# Altium PCB TMS320F28379D_Interfaz_.PcbDoc (part 1 of 5)
Units mil, origin at the board's own origin, x right, y up, seen from the top; angles counter-clockwise.
Board outline 7050 x 6150 mil, 4 copper layers (Top Layer, GND plane, Power supply plane, Bottom Layer), stack 30.634 mil thick; 614 components, 361 nets, 2002 pads, 627 vias.
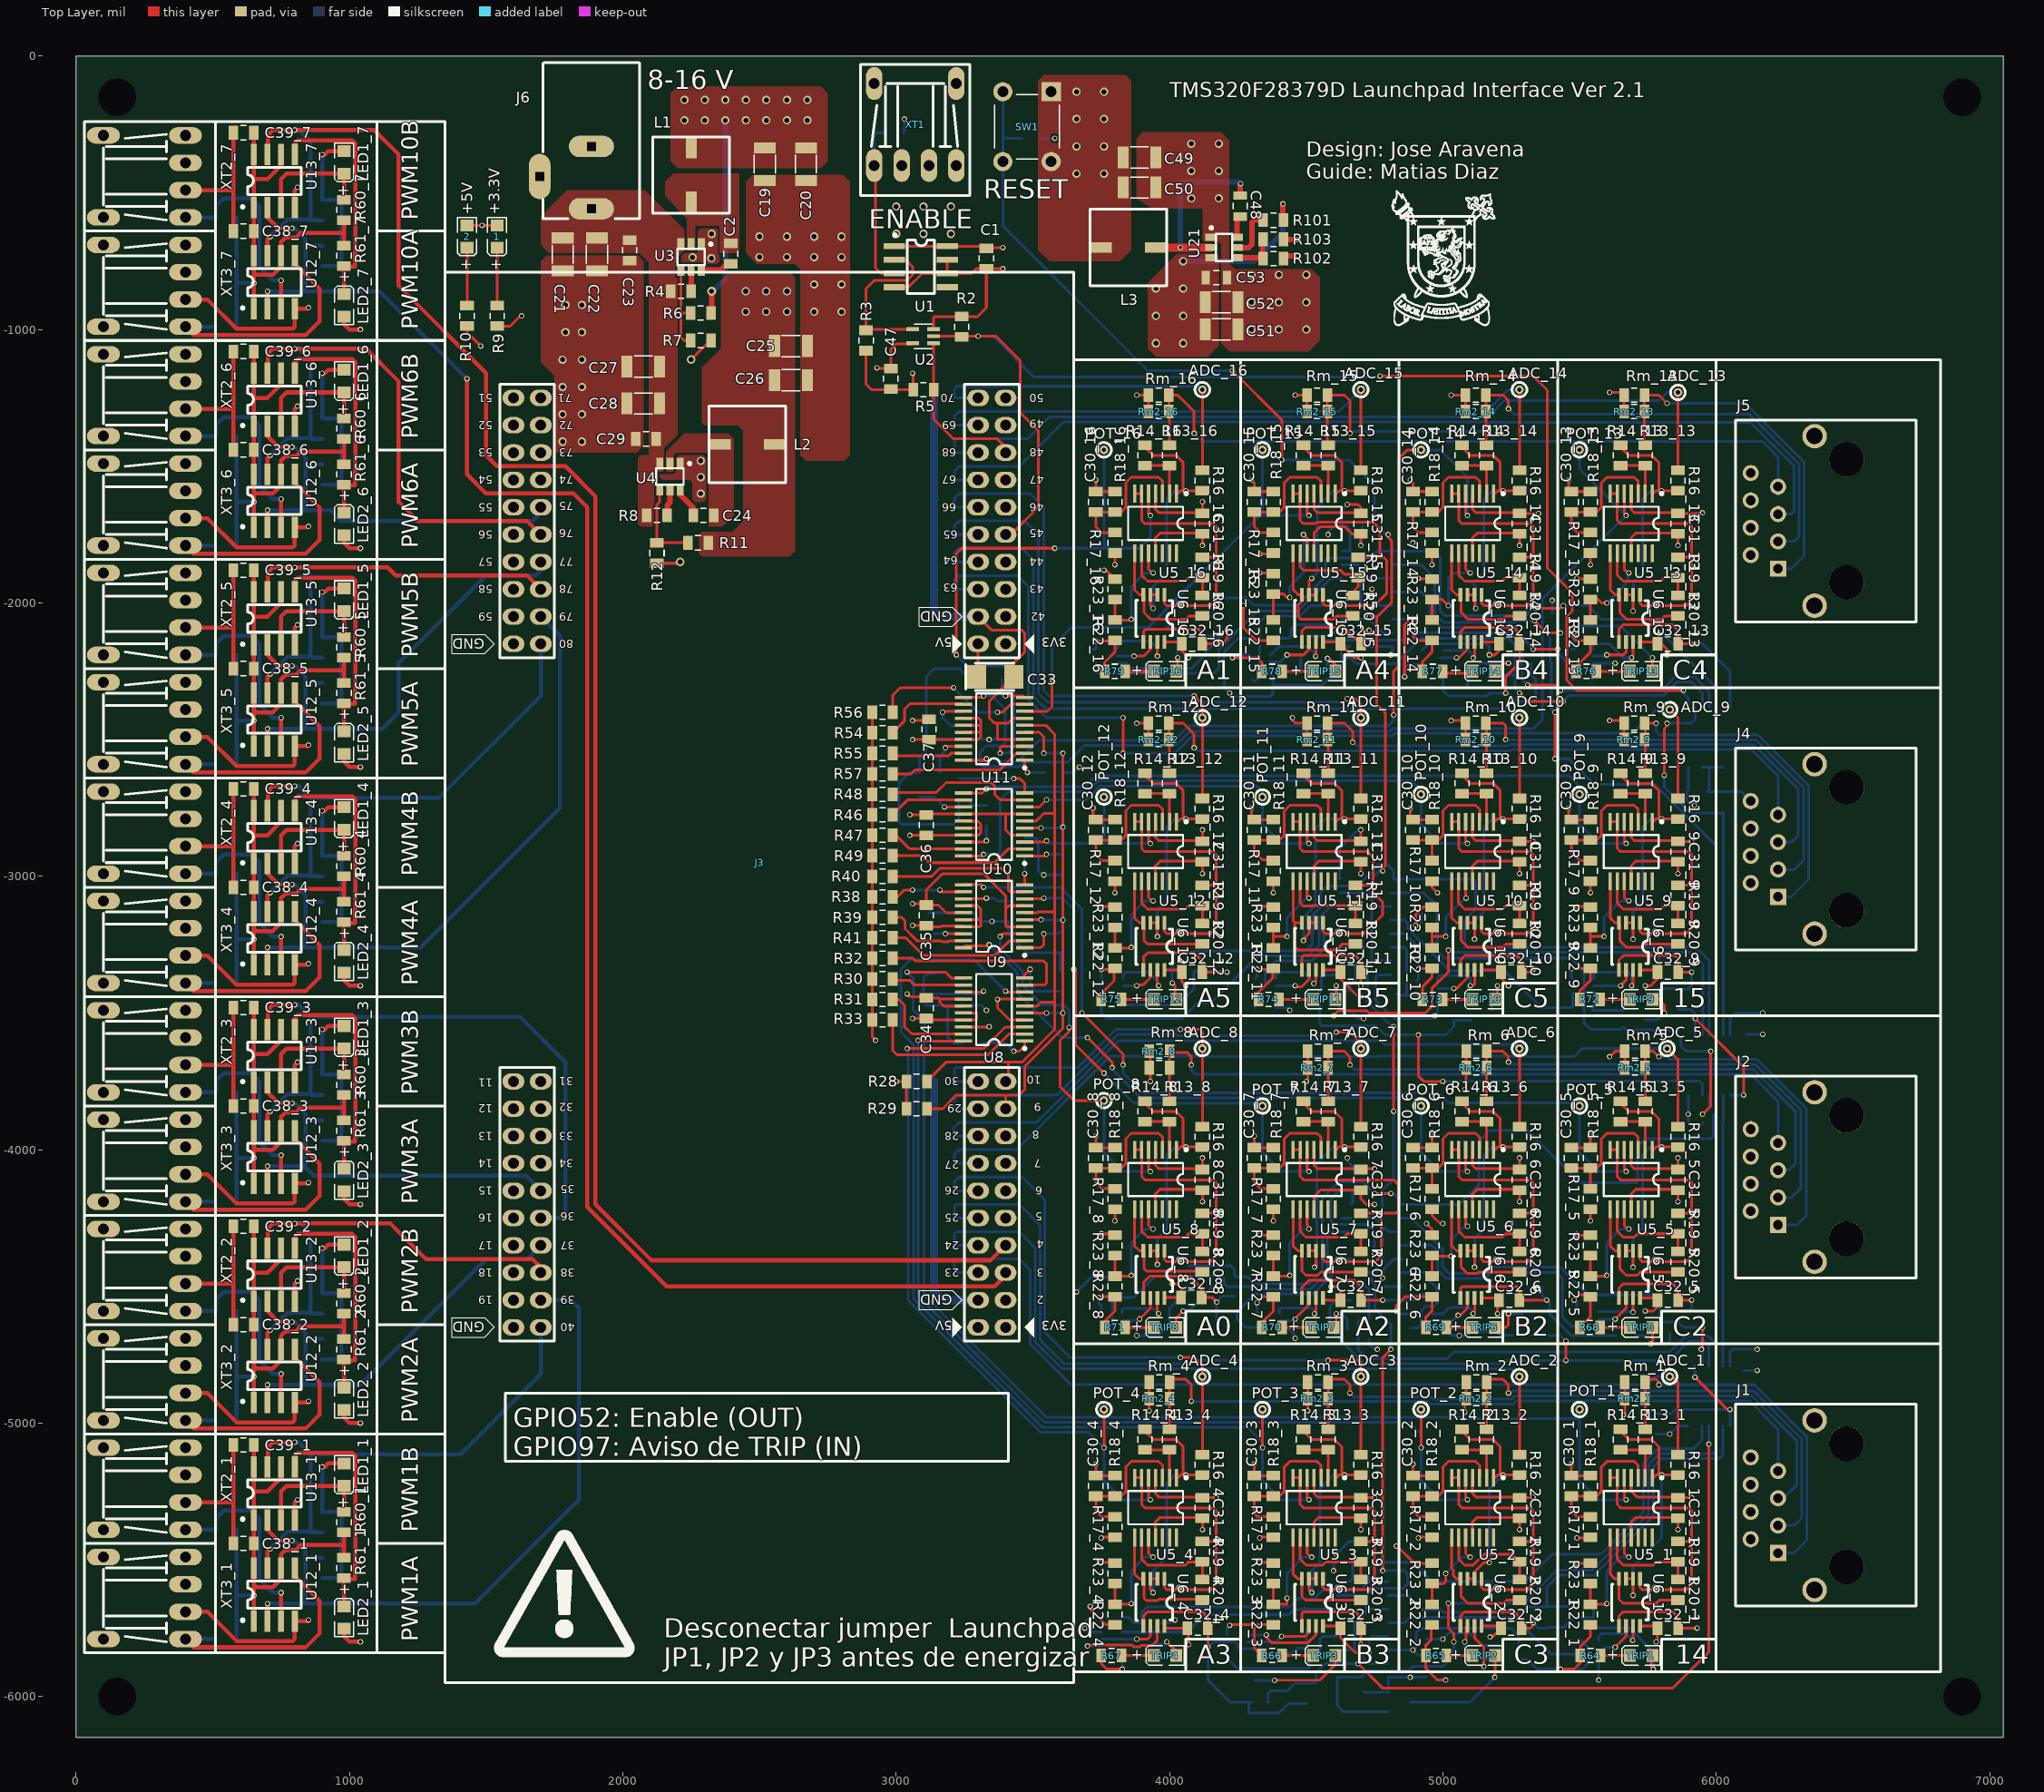
[diagram p0: Top Layer view]
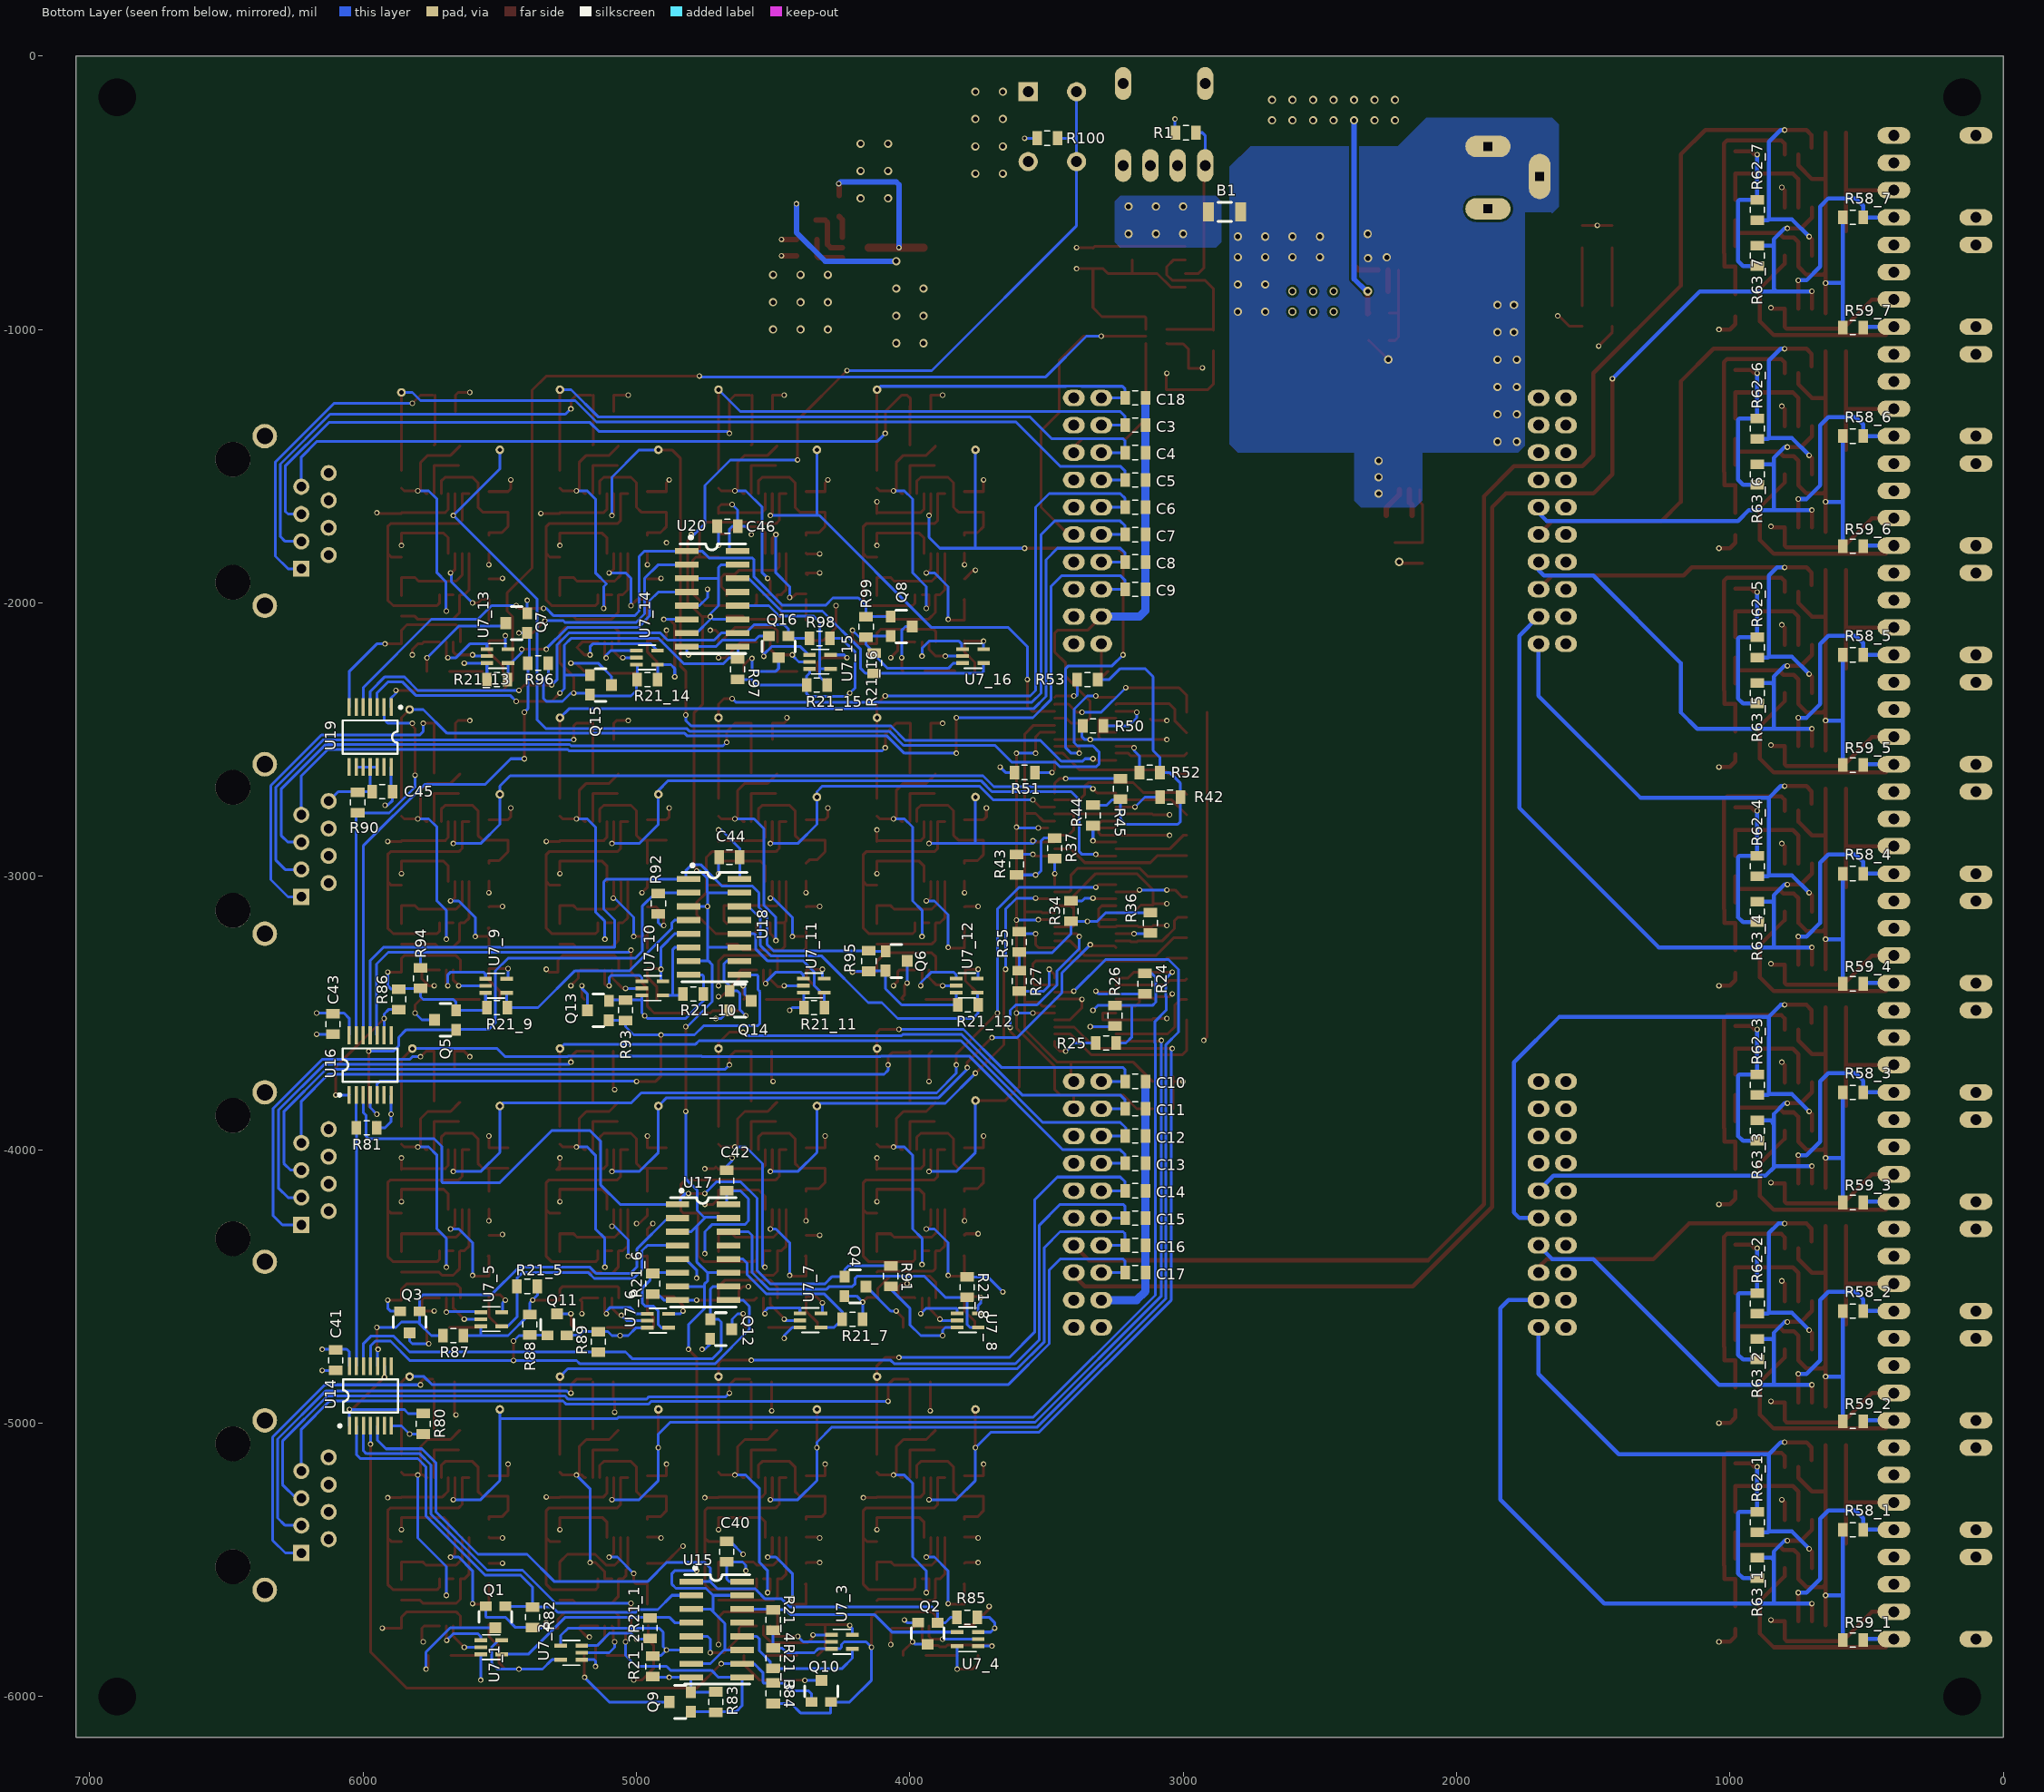
[diagram p1: Bottom Layer view, seen from below]
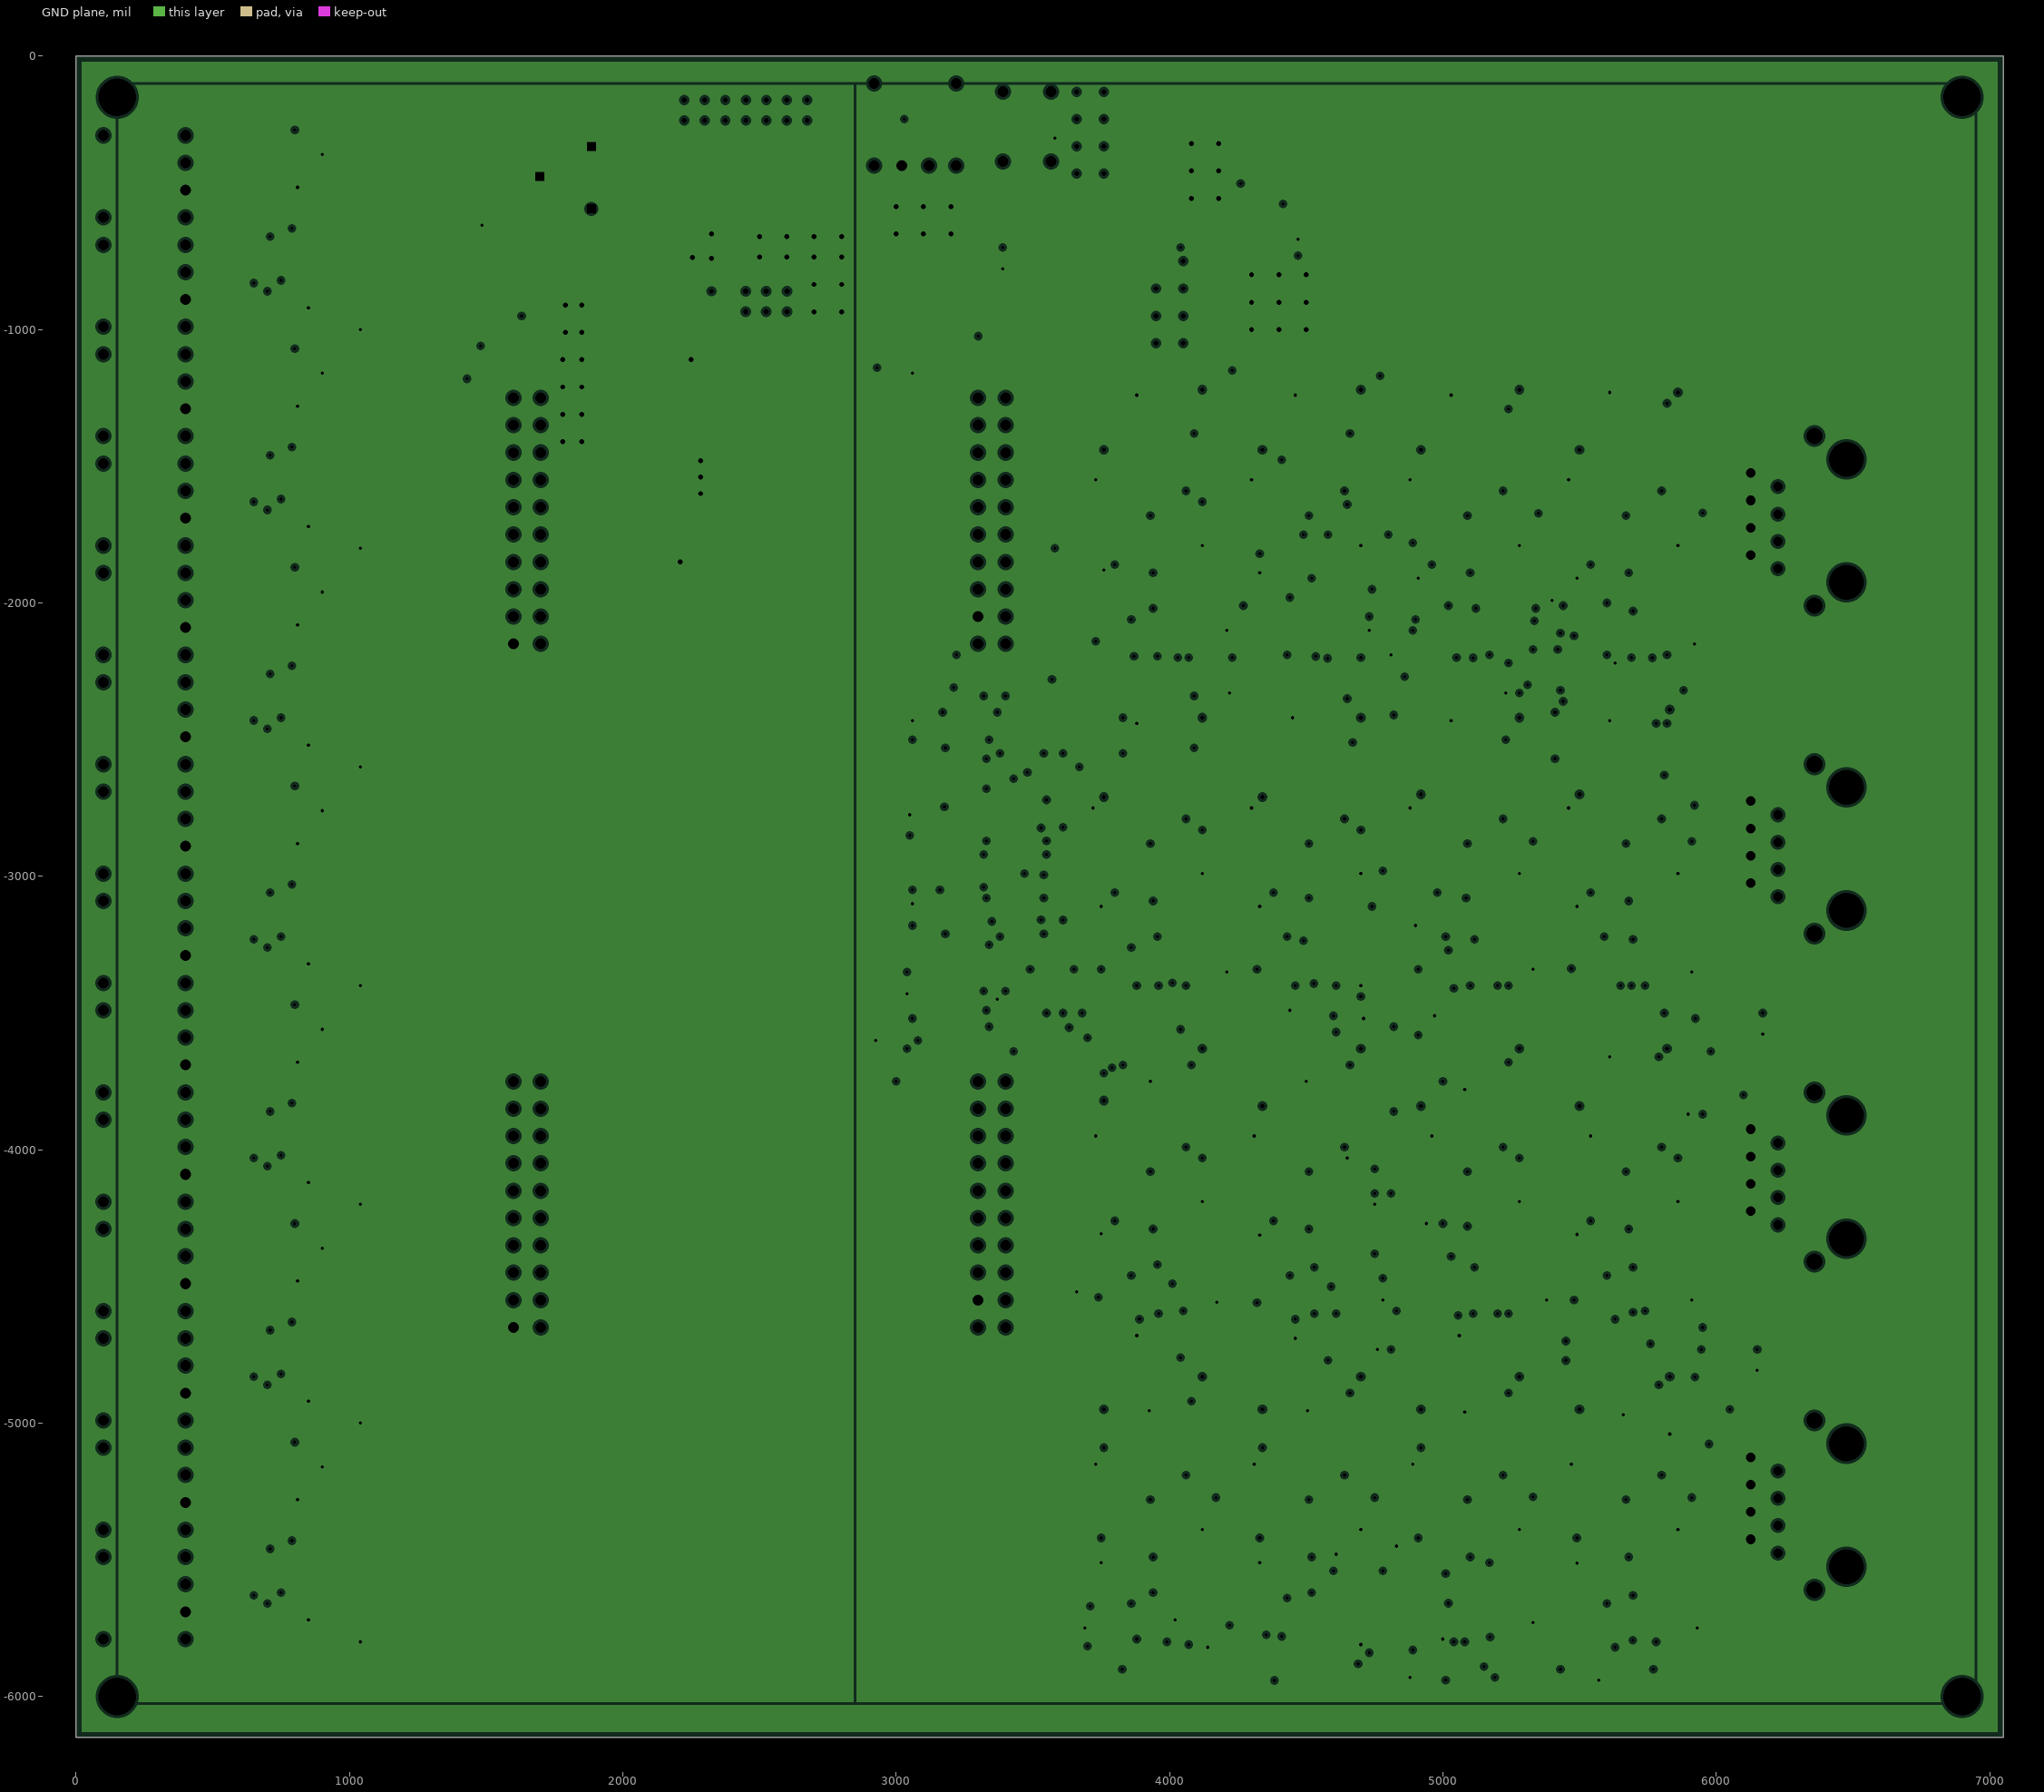
[diagram p2: GND plane, clearances drawn from the general rule]
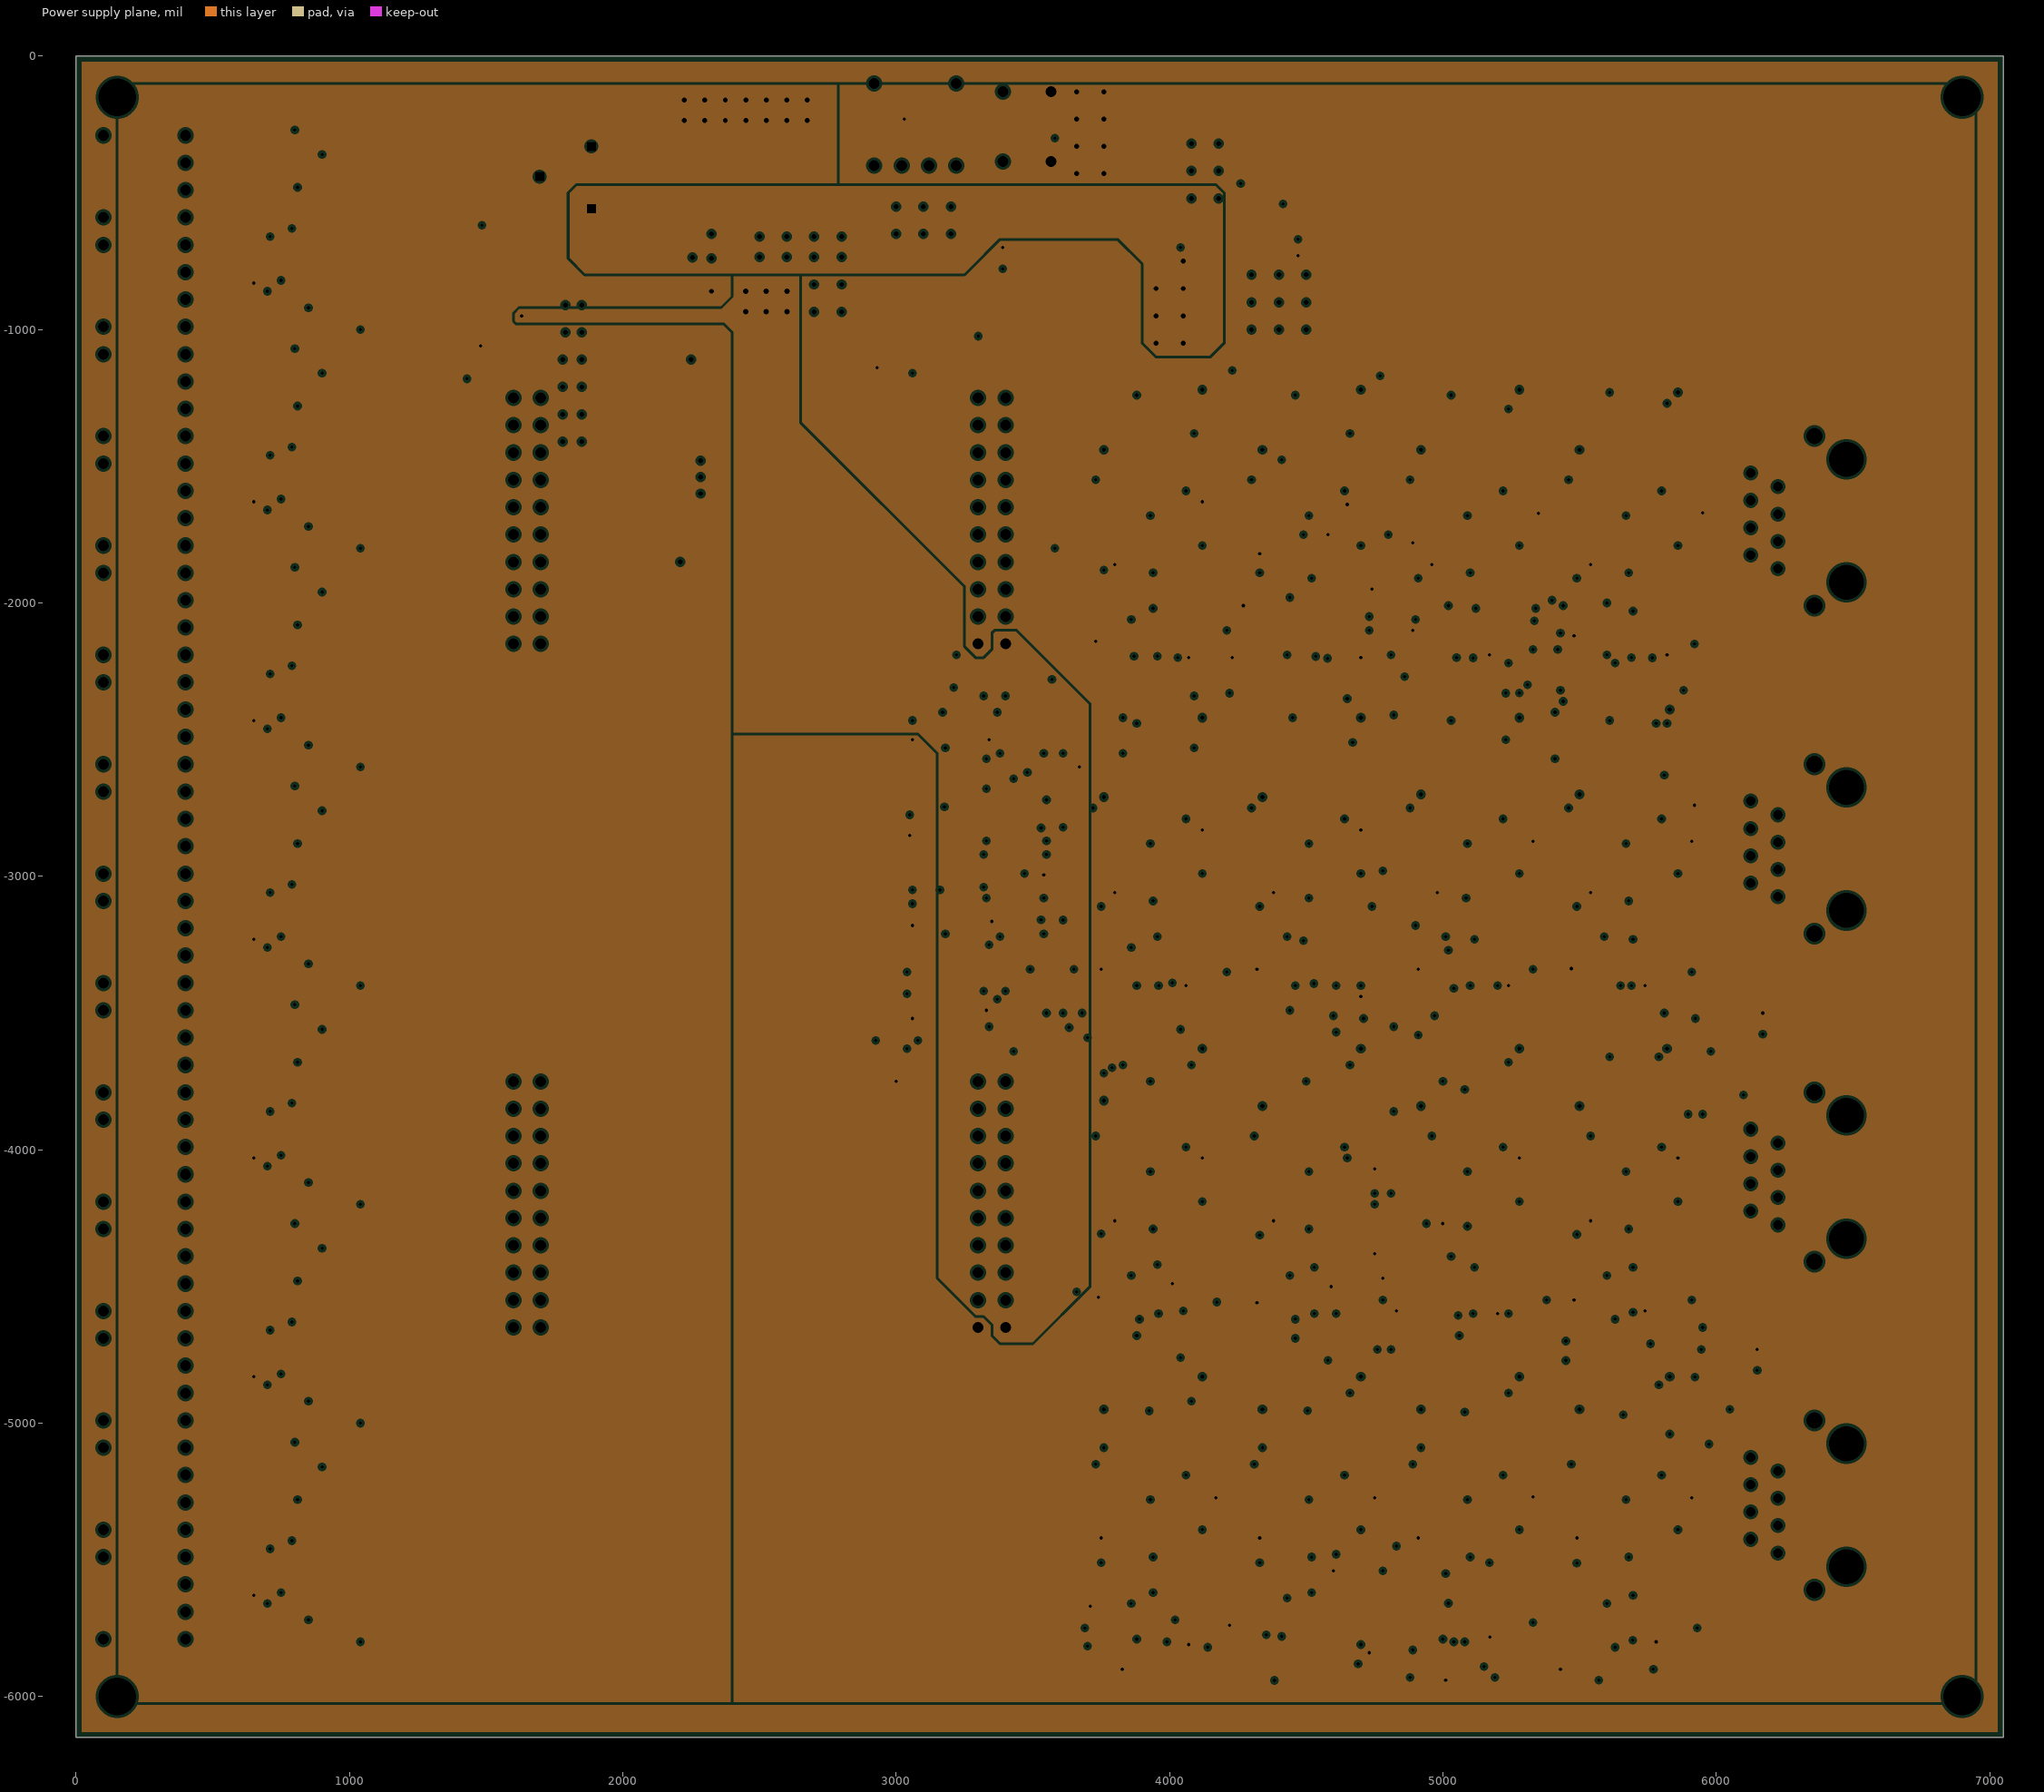
[diagram p3: Power supply plane, clearances drawn from the general rule]

## Layer stack, top to bottom
Top Solder: solder mask 0.4, Solder Resist, Dk 3.5
Top Layer: signal copper 1.4
Dielectric 1: core 10, FR-4, Dk 4.2
GND plane: plane copper 1.417, net (Multiple Nets)
Dielectric 3: prepreg 5, Dk 4.2
Power supply plane: plane copper 1.417, net (Multiple Nets)
Dielectric 2: core 10, Dk 4.2
Bottom Layer: signal copper 1.4
Bottom Solder: solder mask 0.4, Solder Resist, Dk 3.5

## Board outline
0,-6150 0,0 7050,0 7050,-6150

## Design rules (kind name [scope] priority, off if disabled: settings)
Clearance [All] p1: gap=8 ignorepadtopadclearanceinfootprint=FALSE
ComponentClearance [All] p1: gap=0 collisioncheckmode=3 verticalgap=0 showdistances=FALSE
HoleSize [All] p1: absolutevalues=TRUE maxlimit=196.85 minlimit=0.98 maxpercent=80.000 minpercent=20.000
MinimumSolderMaskSliver [All] p1: minsoldermaskwidth=5
PlaneClearance [All] p1: clearance=10
PlaneConnect [All] p1: planeconnectstyle=Direct reliefexpansion=20 reliefentries=4 reliefconductorwidth=30 reliefairgap=10
PolygonConnect [All] p1: connectstyle=Direct reliefconductorwidth=30 reliefentries=4 polygonreliefangle="90 Angle" airgapwidth=10
RoomDefinition TMS320F28379D_ADC16 [InComponentClass('TMS320F28379D_ADC16')] p1: confinementstyle=ConfineIn formatcopy=TRUE lockcomponents=FALSE outline 3690,-1120 3690,-2300 4250,-2300 4250,-1120
RoomDefinition TMS320F28379D_PWM7 [InComponentClass('TMS320F28379D_PWM7')] p2: confinementstyle=ConfineIn formatcopy=TRUE lockcomponents=FALSE outline 1080,-1030 1080,-250 -350,-250 -350,-1030
RoomDefinition TMS320F28379D_PWM6 [InComponentClass('TMS320F28379D_PWM6')] p3: confinementstyle=ConfineIn formatcopy=TRUE lockcomponents=FALSE outline 1080,-1830 1080,-1050 -350,-1050 -350,-1830
RoomDefinition TMS320F28379D_PWM5 [InComponentClass('TMS320F28379D_PWM5')] p4: confinementstyle=ConfineIn formatcopy=TRUE lockcomponents=FALSE outline 1080,-2630 1080,-1850 -350,-1850 -350,-2630
RoomDefinition TMS320F28379D_PWM4 [InComponentClass('TMS320F28379D_PWM4')] p5: confinementstyle=ConfineIn formatcopy=TRUE lockcomponents=FALSE outline 1080,-3430 1080,-2650 -350,-2650 -350,-3430
RoomDefinition TMS320F28379D_PWM3 [InComponentClass('TMS320F28379D_PWM3')] p6: confinementstyle=ConfineIn formatcopy=TRUE lockcomponents=FALSE outline 1080,-4230 1080,-3450 -350,-3450 -350,-4230
RoomDefinition TMS320F28379D_PWM2 [InComponentClass('TMS320F28379D_PWM2')] p7: confinementstyle=ConfineIn formatcopy=TRUE lockcomponents=FALSE outline 1080,-5030 1080,-4250 -350,-4250 -350,-5030
RoomDefinition TMS320F28379D_PWM1 [InComponentClass('TMS320F28379D_PWM1')] p8: confinementstyle=ConfineIn formatcopy=TRUE lockcomponents=FALSE outline 1080,-5830 1080,-5050 -350,-5050 -350,-5830
RoomDefinition TMS320F28379D_ADC15 [InComponentClass('TMS320F28379D_ADC15')] p9: confinementstyle=ConfineIn formatcopy=TRUE lockcomponents=FALSE outline 4270,-1120 4270,-2300 4830,-2300 4830,-1120
RoomDefinition TMS320F28379D_ADC14 [InComponentClass('TMS320F28379D_ADC14')] p10: confinementstyle=ConfineIn formatcopy=TRUE lockcomponents=FALSE outline 4850,-1120 4850,-2300 5410,-2300 5410,-1120
RoomDefinition TMS320F28379D_ADC13 [InComponentClass('TMS320F28379D_ADC13')] p11: confinementstyle=ConfineIn formatcopy=TRUE lockcomponents=FALSE outline 5430,-1120 5430,-2300 5990,-2300 5990,-1120
RoomDefinition TMS320F28379D_ADC12 [InComponentClass('TMS320F28379D_ADC12')] p12: confinementstyle=ConfineIn formatcopy=TRUE lockcomponents=FALSE outline 3690,-2320 3690,-3500 4250,-3500 4250,-2320
RoomDefinition TMS320F28379D_ADC11 [InComponentClass('TMS320F28379D_ADC11')] p13: confinementstyle=ConfineIn formatcopy=TRUE lockcomponents=FALSE outline 4270,-2320 4270,-3500 4830,-3500 4830,-2320
RoomDefinition TMS320F28379D_ADC10 [InComponentClass('TMS320F28379D_ADC10')] p14: confinementstyle=ConfineIn formatcopy=TRUE lockcomponents=FALSE outline 4850,-2320 4850,-3500 5410,-3500 5410,-2320
RoomDefinition TMS320F28379D_ADC9 [InComponentClass('TMS320F28379D_ADC9')] p15: confinementstyle=ConfineIn formatcopy=TRUE lockcomponents=FALSE outline 5430,-2320 5430,-3500 5990,-3500 5990,-2320
RoomDefinition TMS320F28379D_ADC8 [InComponentClass('TMS320F28379D_ADC8')] p16: confinementstyle=ConfineIn formatcopy=TRUE lockcomponents=FALSE outline 3690,-3520 3690,-4700 4250,-4700 4250,-3520
RoomDefinition TMS320F28379D_ADC7 [InComponentClass('TMS320F28379D_ADC7')] p17: confinementstyle=ConfineIn formatcopy=TRUE lockcomponents=FALSE outline 4270,-3520 4270,-4700 4830,-4700 4830,-3520
RoomDefinition TMS320F28379D_ADC6 [InComponentClass('TMS320F28379D_ADC6')] p18: confinementstyle=ConfineIn formatcopy=TRUE lockcomponents=FALSE outline 4850,-3520 4850,-4700 5410,-4700 5410,-3520
RoomDefinition TMS320F28379D_ADC5 [InComponentClass('TMS320F28379D_ADC5')] p19: confinementstyle=ConfineIn formatcopy=TRUE lockcomponents=FALSE outline 5430,-3520 5430,-4700 5990,-4700 5990,-3520
RoomDefinition TMS320F28379D_ADC4 [InComponentClass('TMS320F28379D_ADC4')] p20: confinementstyle=ConfineIn formatcopy=TRUE lockcomponents=FALSE outline 3690,-4720 3690,-5900 4250,-5900 4250,-4720
RoomDefinition TMS320F28379D_ADC3 [InComponentClass('TMS320F28379D_ADC3')] p21: confinementstyle=ConfineIn formatcopy=TRUE lockcomponents=FALSE outline 4270,-4720 4270,-5900 4830,-5900 4830,-4720
RoomDefinition TMS320F28379D_ADC2 [InComponentClass('TMS320F28379D_ADC2')] p22: confinementstyle=ConfineIn formatcopy=TRUE lockcomponents=FALSE outline 4850,-4720 4850,-5900 5410,-5900 5410,-4720
RoomDefinition TMS320F28379D_ADC1 [InComponentClass('TMS320F28379D_ADC1')] p23: confinementstyle=ConfineIn formatcopy=TRUE lockcomponents=FALSE outline 5430,-4720 5430,-5900 5990,-5900 5990,-4720
RoutingVias [All] p1: holewidth=12 width=20 viastyle="Through Hole" minholewidth=10 minwidth=10 maxholewidth=28 maxwidth=50
SilkToSilkClearance [All] p1: silktosilkclearance=0
SilkToSolderMaskClearance [IsPad] p1: minsilkscreentomaskgap=0 clearancetoexposedcopper=TRUE
SolderMaskExpansion [All] p1: expansion=2
Width [All] p1: maxlimit=80 minlimit=10 preferedwidth=20
23 further rules are at their usual default settings.
